# Altium PCB Brake Module PCB R4.PcbDoc (part 1 of 2) (continued)
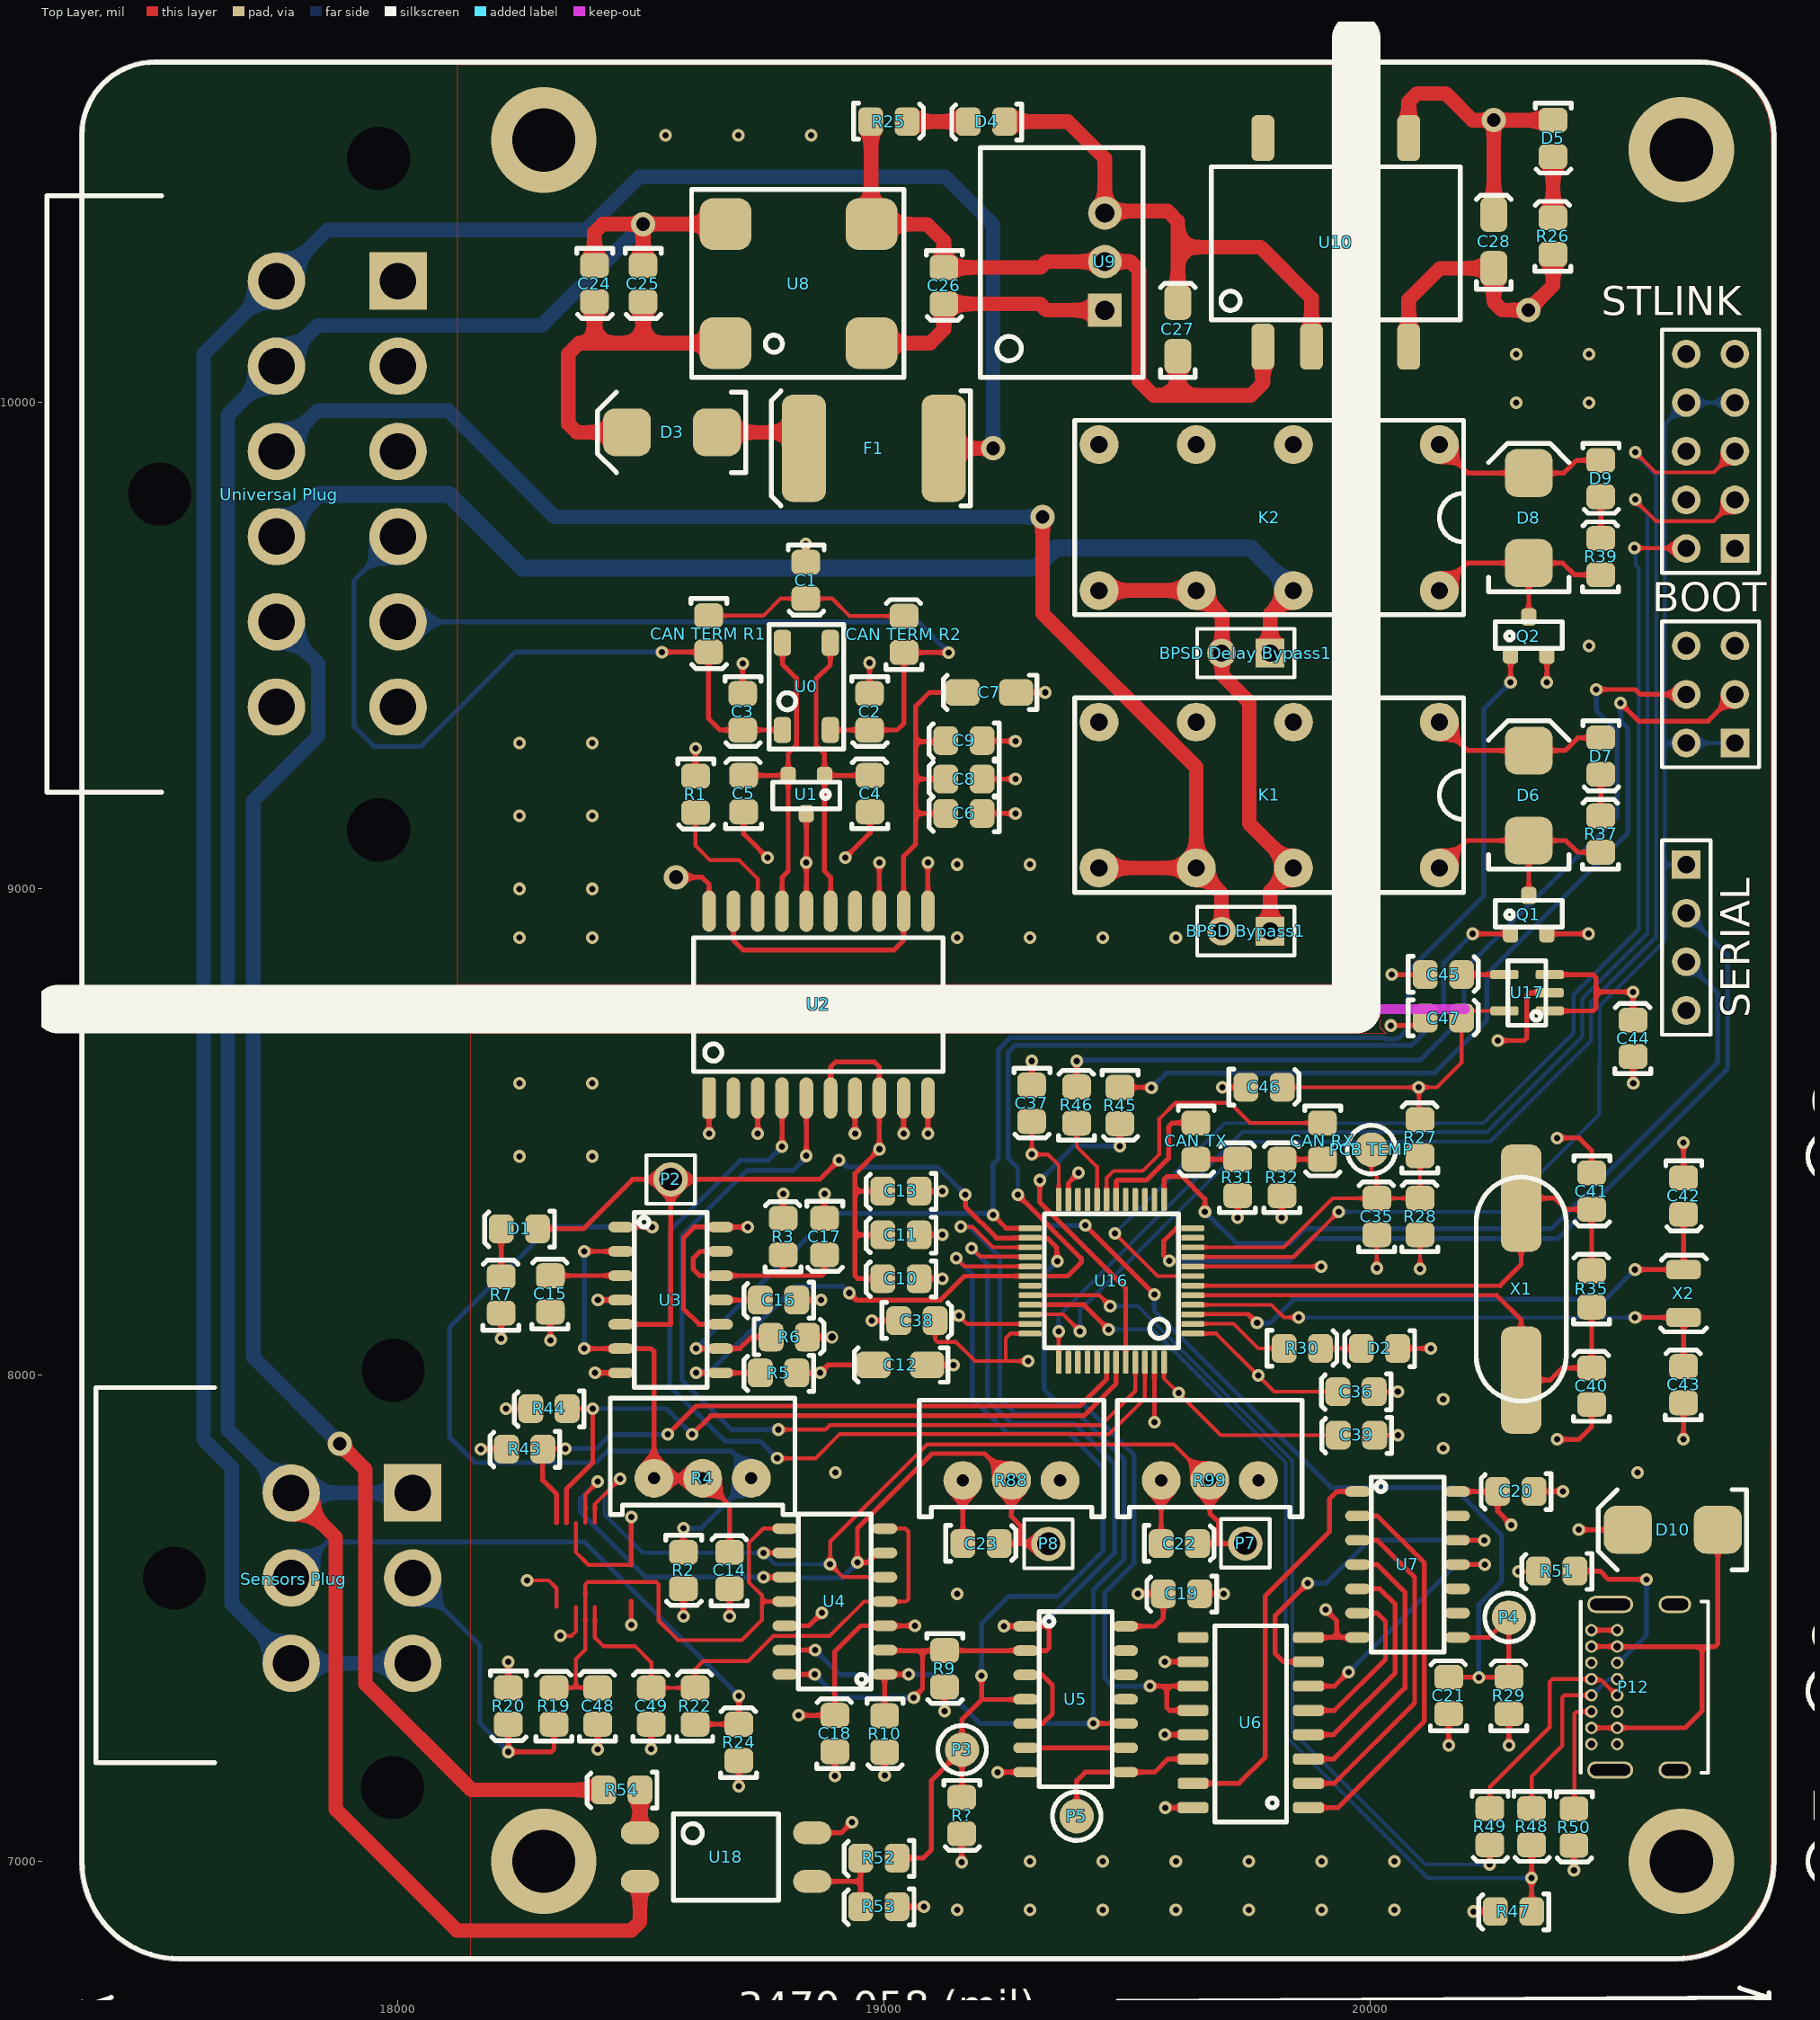
[diagram p0: Top Layer view]
## Components (designator, comment, footprint, x,y, rotation, side; value= is the part's Value field where it differs from the comment) (continued)
BOOT "2.54mm" "TH 2.54mm Header 2x3" 20750,9300 r90 top (schematic designator BOOT1)
"BPSD Bypass1" "2.54mm" "TH 2.54mm Header 1x2" 19794,8913.01 r180 top
"BPSD Delay Bypass1" "2.54mm" "TH 2.54mm Header 1x2" 19794,9485 r180 top
C1 "22pF" 0805 18840,9634 r270 top
C2 "100pF" 0805 18971.03,9363.79 r270 top
C3 "100pF" 0805 18710,9363.79 r270 top
C4 "100pF" 0805 18970,9196.44 r90 top
C5 "100pF" 0805 18710,9196.44 r90 top
C6 "100nF" 0805 19163.68,9154 r180 top
C7 "10nF" 1206 19169,9404 r180 top
C8 "10uF" 0805 19163.68,9225 r180 top
C9 "100nF" 0805 19163.68,9304 r180 top
C10 "10uF" 0805 19034,8197.43 r180 top
C11 "100nF" 0805 19034,8287.43 r180 top
C12 "10nF" 1206 18986,8021 r180 top
C13 "100nF" 0805 19034,8377.43 r180 top
C14 "10uF" 0805 18681,7598.71 r90 top
C15 "10pF" 0805 18312.24,8167.61 r90 top
C16 "10pF" 0805 18782.28,8153.5 r180 top
C17 "10uF" 0805 18878.28,8284.54 r270 top
C18 "100nF" 0805 18897.61,7263.54 r90 top
C19 "100nF" 0805 19611.2,7549.5 r180 top
C20 "100nF" 0805 20299,7760 r180 top
C21 "100nF" 0805 20160.28,7341.54 r90 top
C22 "100nF" 0805 19607.75,7654.54 r0 top
C23 "100nF" 0805 19199.75,7654.54 r0 top
C24 "10uF" 0805 18405.03,10244.16 r270 top
C25 "10uF" 0805 18505.03,10244.16 r270 top
C26 "10uF" 0805 19124,10240 r270 top
C27 "22uF" 1206 19604,10197.87 r90 top
C28 "22uF" 1206 20254,10378.78 r90 top
C35 "100nF" 0805 20012.43,8326.74 r90 top
C36 "1uF" 0805 19970.13,7964.97 r180 top
C37 "100nF" 0805 19304.38,8558.69 r270 top
C38 "100nF" 0805 19068,8113 r0 top
C39 "100nF" 0805 19971.06,7875.43 r180 top
C40 "22pF" 0805 20454.43,7977.87 r90 top
C41 "22pF" 0805 20456.5,8377.87 r270 top
C42 "22pF" 0805 20645.46,8367.87 r270 top
C43 "22pF" 0805 20643.4,7980.94 r90 top
C44 "1uF" 0805 20539.62,8693.07 r90 top
C45 "22uF" 0805 20151,8824.83 r0 top
C46 "100nF" 0805 19782,8593 r0 top
C47 "1uF" 0805 20151,8735 r0 top
C48 "100nF" 0805 18410,7320 r90 top
C49 "100nF" 0805 18520,7320 r90 top
C? "100nF" 0805 22100,4600 r0 top
C? "100nF" 0805 18300,4600 r0 top
C? "100nF" 0805 21900,4600 r0 top
C? "100nF" 0805 18100,4600 r0 top
C? "100pF" 0805 24900,4600 r0 top
C? "100pF" 0805 21100,4600 r0 top
C? "100nF" 0805 21300,4600 r0 top
C? "100pF" 0805 17700,4600 r0 top
C? "100nF" 0805 17500,4600 r0 top
C? "100pF" 0805 21500,4600 r0 top
"CAN RX" "Blue" "0805 LED" 19902.43,8480.8 r270 top
"CAN RX TP" "0mm" "SMD Test Point" 22000,7350 r90 top
"CAN TERM R1" "56R" 0805 18640,9524 r270 top
"CAN TERM R2" "56R" 0805 19040,9524 r90 top
"CAN TX" "Blue" "0805 LED" 19642.43,8480.8 r270 top
"CAN TX TP" "0mm" "SMD Test Point" 22600,7350 r90 top
"CANH TP1" "0mm" "SMD Test Point" 20950,7350 r90 top
"CANL TP1" "0mm" "SMD Test Point" 21500,7350 r90 top
D1 "Yellow" "0805 LED" 18249.23,8300 r180 top
D2 "Red" "0805 LED" 20018.43,8053.87 r180 top
D3 "SD560BTR" "SMB Diode" 18646.2,9939 r180 top
D4 "Red" "0805 LED" 19210,10577 r180 top
D5 "Red" "0805 LED" 20376.83,10543 r270 top
D6 "SD560BTR" "SMB Diode" 20326,9109.34 r90 top
D7 "Green" "0805 LED" 20475.24,9272.72 r270 top
D8 "SD560BTR" "SMB Diode" 20326,9680 r90 top
D9 "Green" "0805 LED" 20475.24,9843.39 r270 top
D10 "SD560BTR" "SMB Diode" 20705,7682 r180 top
F1 "0ZCF0100AF2A" 2920 19122.4,9906 r180 top
"GLV+ TP" "0mm" "SMD Test Point" 23150,8450 r90 top
"GLV- TP" "0mm" "SMD Test Point" 22000,8450 r90 top
K1 "V23105A5475A201" "TI 2-DIL" 19792,9193 r180 top
K2 "V23105A5475A201" "TI 2-DIL" 19792,9763.66 r180 top
"MC SENSE AMP OUT TP?" "0mm" "SMD Test Point" 19600,4550 r90 top
"MC SENSE AMP OUT TP?" "0mm" "SMD Test Point" 23400,4550 r90 top
P1 "0mm" "SMD Test Point" 21750,7000 r0 top
P2 "0mm" "TH Test Point" 18560.91,8402.54 r0 top
P3 "0mm" "SMD Test Point" 19160.28,7229.54 r0 top
P4 "0mm" "SMD Test Point" 20285.28,7501.54 r90 top
P5 "0mm" "SMD Test Point" 19396,7093 r90 top
P6 "0mm" "TH Test Point" 21550,7000 r0 top
P7 "0mm" "TH Test Point" 19743,7654 r270 top
P8 "0mm" "TH Test Point" 19338,7653 r270 top
P9 "0mm" "SMD Test Point" 21400,7000 r0 top
P10 "0mm" "TH Test Point" 21150,7000 r0 top
P11 "0mm" "SMD Test Point" 20950,7000 r0 top
P12 "USB4085-GF-A" USB4085-GF-A 20613.32,7353.27 r90 top
"PCB TEMP" "0mm" "SMD Test Point" 20002.43,8463.87 r180 top
Q1 "2N7002K" "ON SOT-23 MOSFET" 20326,8947 r0 top
Q2 "2N7002K" "ON SOT-23 MOSFET" 20326,9520 r0 top
R1 "0R" 0805 18613,9194 r270 top
R2 "10k" 0805 18588,7597.77 r270 top
R3 "1M" 0805 18791.28,8285.48 r90 top
R4 "10K (Var)" "B 3296" 18630,7810 r0 top
R5 "20k" 0805 18782.28,8003.5 r180 top
R6 "20k" 0805 18805.28,8079.33 r0 top
R7 "1.5k" 0805 18211.28,8165.48 r90 top
R9 "3.3k" 0805 19125.28,7395.66 r270 top
R10 "3.3k" 0805 19002.03,7261.63 r270 top
R19 "1k" 0805 18320,7320 r90 top
R20 "200R" 0805 18228,7319.06 r270 top
R22 "1k" 0805 18610,7320 r90 top
R24 "200R" 0805 18700,7245.2 r90 top
R25 "680R" 0805 19010,10579.06 r0 top
R26 "510R" 0805 20374.76,10343 r90 top
R27 "10k" 0805 20101.4,8488.87 r90 top
R28 "10K (NTC) (B25/85 3430K)" 0805 20101.4,8326.74 r90 top
R29 "10k" 0805 20284.24,7341.54 r90 top
R30 "510R" 0805 19860.43,8055.94 r0 top
R31 "510R" 0805 19726.4,8406.94 r90 top
R32 "510R" 0805 19817.43,8406.94 r90 top
R35 "10M" 0805 20454.43,8177.87 r90 top
R37 "680R" 0805 20473.17,9113.28 r90 top
R39 "680R" 0805 20473.17,9683.94 r90 top
R43 "5.1k" 0805 18260,7847 r180 top
R44 "5.1k" 0805 18310,7930 r180 top
R45 "10k" 0805 19486.03,8554.09 r270 top
R46 "10k" 0805 19395,8556 r90 top
R47 "1.5k" 0805 20294.1,6896 r180 top
R48 "20R" 0805 20333,7071 r270 top
R49 "20R" 0805 20247,7071 r270 top
R50 "5.1k" 0805 20419.97,7069.87 r270 top
R51 "5.1k" 0805 20383,7596 r180 top
R52 "100R" 0805 18988.74,7005.79 r180 top
R53 "10k" 0805 18988.74,6905.79 r180 top
R54 "680R" 0805 18459.86,7145.97 r180 top
R88 "10K (Var)" "B 3296" 19265.28,7805.54 r0 top
R99 "10K (Var)" "B 3296" 19673.28,7805.54 r0 top
R? "10k" 0805 22300,4600 r0 top
R? "10k" 0805 24700,4600 r0 top
R? "10k" 0805 23250,4600 r0 top
R? "10k" 0805 20900,4600 r0 top
R? "10k" 0805 19450,4600 r0 top
R? "10k" 0805 18500,4600 r0 top
R? "10k" 0805 21700,4600 r0 top
R? "10k" 0805 17900,4600 r0 top
R? "20k" 0805 19160.69,7093.66 r270 top
"Sensors Plug" "DT13-6P" DT13-6P 17382.52,7309.02 r270 top
SERIAL "2.54mm" "TH 2.54mm Header 1x4" 20650,9050 r270 top (schematic designator SERIAL1)
STLINK "2.54mm" "TH 2.54mm Header 2x5" 20750,9700 r90 top (schematic designator STLINK1)
U0 "B82787C0104H002" "TDK 4-PC Pad" 18790.79,9326.87 r90 top
U1 "NUP2105L" "ON SOT-23" 18840,9194 r180 top
U2 "ADM3053" "AD SOIC-W 20" 18865,8762.02 r0 top
U3 "NE556DR" "TI 14-SOIC" 18356.19,7554.54 r270 top
U4 "LMV339IDR" "TI 14-SOIC" 19103.36,8134.54 r90 top
U5 "SN74HC00DR" "TI 14-SOIC" 19189.19,6733.54 r270 top
U6 "MC74HC595ADR2G" "ON 16-SOIC" 19758.9,7110.54 r180 top
U7 "CD74HC30M96" "TI 14-SOIC" 19871.91,7010.54 r270 top
U8 "744272121" "Wurth 4-PC Pad" 18974,10367.17 r180 top
U9 "R-78C5.0-1.0" "RECOM 3-SIP" 19454,10190 r90 top
U10 "R2S-0505/HP" "RECOM 8-SMD (5 Pin)" 19929,10327.6 r0 top
U16 "STM32F103C8T6" "STM 48-LQFP" 19467.43,8193.87 r90 top
U17 "RT9193-33GB" "RICHTEK SOT-23-5" 20329.63,8788.37 r90 top
U18 "LTV-817S-TA1" "ON 4-SMD" 18684.74,7008.79 r0 top
U? "LM324D" "TI 14-SOIC" 19400,4300 r0 top
U? "LM324D" "TI 14-SOIC" 23200,4300 r0 top
U? "ACPL-C870" "BROAD 8-SOIC" 19200,4350 r0 top
U? "ACPL-C870" "BROAD 8-SOIC" 23000,4350 r0 top
"Universal Plug" "DT13-12P" DT13-12P 17750,10250 r270 top
X1 "8MHz" "Abracon HC-49/US" 20310.43,8176.92 r90 top
X2 "32.768kHz" "EPSON 2-SMD" 20644.43,8167.87 r270 top

## Footprints (in the part's own frame and the unit in brackets; to place one, negate y for a bottom-side part, rotate by r counter-clockwise, add the part's x,y. Pads: shape width x height; smd on the part's side, far side on the other; paste and mask are expansions set on the pad)
0805 [mil]
  rrect50% 51.18x59.06 smd: 1(-37.87,-1.03) 2(36.93,-1.03)
  silkscreen extent -73,-37 71,37, body extent -39,-26 39,26, height 29
"0805 LED" [mil]
  rrect50% 51.18x59.06 smd: A(-37.87,-1.03) K(36.93,-1.03)
  silkscreen extent -73,-37 71,37, body extent -43,-25 35,25, height 39
1206 [mm]
  rrect50% 1.8x1.4 smd: 1(-2.6,0) 2(0.2,0)
  silkscreen extent -3.7,-0.9 1.2,0.9, body extent -2.9,-0.9 0.5,0.9, height 1.85
2920 [mm]
  rrect50% 2.3x5.6 smd: 1(0,0) 2(7.3,0)
  silkscreen extent -1.4,-3 9,3, body extent -0.34,-2.81 7.64,2.81, height 1.14
"Abracon HC-49/US" [mm]
  rrect50% 5.6x2.1 smd: 1(-4.75,0) 2(4.75,0)
  silkscreen extent -5.85,-2.35 5.85,2.35, body extent -6.35,-2.35 6.35,2.35, height 4.06
"AD SOIC-W 20" [mil]
  rrect50% 28x85 smd: 1(-225,-192.02)
  oval 28x85 smd: 2(-175,-192.02) 3(-125,-192.02) 4(-75,-192.02) 5(-25,-192.02) 6(25,-192.02) 7(75,-192.02) 8(125,-192.02) 9(175,-192.02) 10(225,-192.02) 11(225,192.02) 12(175,191.98) 13(125,191.98) 14(75,191.98) 15(25,191.98) 16(-25,191.98) 17(-75,191.98) 18(-125,191.98) 19(-175,191.98) 20(-225,191.98)
  silkscreen extent -257,-138 256,138, body extent -260,-210 260,210, height 105
"B 3296" [mil]
  round 80 hole 25.2: 1(-103.39,-22) 2(-3.39,-22) 3(96.61,-22)
  silkscreen extent -193,-97 187,143, body extent -191,-97 184,143, height 455
"BROAD 8-SOIC" [mm]
  rrect50% 0.64x1.905 smd: 1(-1.905,-5.372) 2(-0.635,-5.372) 3(0.635,-5.372) 4(1.905,-5.372) 5(1.905,5.372) 6(0.635,5.372) 7(-0.635,5.372) 8(-1.905,5.372)
  silkscreen extent -3,-4 3,4, body extent -2.92,-5.75 2.92,5.75, height 3.68
DT13-6P [mm]
  round 3 hole 3.3 unplated: 0(-17.805,15.43) 0(-6.95,4) 0(4,15.4)
  rect 3x3 hole 1.9: 1(-11.4,16.45)
  round 3 hole 1.9: 2(-6.95,16.45) 3(-2.5,16.45) 4(-2.5,10.1) 5(-6.95,10.1) 6(-11.4,10.1)
  silkscreen extent -16.9,-0.1 2.7,6.1, body extent -29.9,-19.9 12.9,19.6, height 35.63
DT13-12P [mm]
  round 3 hole 3.3 unplated: 0(-6.405,5.33) 0(11.135,-6.1) 0(28.675,5.33)
  rect 3x3 hole 1.9: 1(0,6.35)
  round 3 hole 1.9: 2(4.45,6.35) 3(8.9,6.35) 4(13.35,6.35) 5(17.8,6.35) 6(22.25,6.35) 7(22.25,0) 8(17.8,0) 9(13.35,0) 10(8.9,0) 11(4.45,0) 12(0,0)
  silkscreen extent -4.45,-12 26.7,-6, body extent -18.6,-34.7 40.6,9.5, height 37.63
"EPSON 2-SMD" [mm]
  rrect50% 1x1.8 smd: 1(-1.25,0) 2(1.25,0)
  silkscreen extent -2,-1.2 2,1.2, body extent -1.5,-1 1.5,1, height 1
"ON 4-SMD" [mm] "SOP, 4-Leads, Body 3.85x4.4mm, Pitch 2.54mm, IPC Medium Density"
  oval 2x1.2 smd: 1(-4.75,1.27) 2(-4.75,-1.27) 3(4.25,-1.27) 4(4.25,1.27)
  silkscreen extent -3,-2.25 2.5,2.25, body extent -5.33,-2.3 4.83,2.3, height 4.6
"ON 16-SOIC" [mm]
  rrect50% 1.6x0.58 smd: 1(-2.89,0) 2(-2.89,-1.27) 3(-2.89,-2.54) 4(-2.89,-3.81) 5(-2.89,-5.08) 6(-2.89,-6.35) 7(-2.89,-7.62) 8(-2.89,-8.89) 9(3.14,-8.89) 10(3.14,-7.62) 11(3.14,-6.35) 12(3.14,-5.08) 13(3.14,-3.81) 14(3.14,-2.54) 15(3.14,-1.27) 16(3.14,0)
  silkscreen extent -1.75,-9.5 2,0.75, body extent -3.09,-9.4 3.14,0.6, height 1.75
"ON SOT-23" [mm] "NUP2105L"
  rrect50% 0.8x0.9 smd: 1(-0.95,-1) 2(0.95,-1) 3(0,1)
  silkscreen extent -1.75,-0.65 1.75,0.75, body extent -1.5,-1.27 1.5,1.28, height 1
"ON SOT-23 MOSFET" [mm] "NUP2105L"
  rrect50% 0.8x0.9 smd: D(0,1) G(-0.95,-1) S(0.95,-1)
  silkscreen extent -1.75,-0.65 1.75,0.75, body extent -1.5,-1.27 1.5,1.28, height 1
"RECOM 3-SIP" [mm] "12 to 42 Vdc In, 9 Vdc Out"
  rect 1.75x1.75 hole 1: 1(0,0)
  round 1.75 hole 1: 2(2.54,0) 3(5.08,0)
  silkscreen extent -3.5,-2 8.5,6.5, body extent -3.26,-2.02 8.34,6.48, height 11.41
"RECOM 8-SMD (5 Pin)" [mm]
  rrect50% 1.2x2.4 smd: 1(-3.81,-5.4) 2(-1.27,-5.4) 4(3.81,-5.4) 5(3.81,5.5) 8(-3.81,5.5)
  silkscreen extent -6.5,-4 6.5,4, body extent -6.37,-5.55 6.38,5.55, height 9.2
"RICHTEK SOT-23-5" [mil]
  rrect50% 19x58 smd: 1(-39.37,-39.37) 2(-1.97,-39.37) 3(35.43,-39.37) 4(35.43,53.63) 5(-39.37,53.63)
  silkscreen extent -69,-31 64,46, body extent -62,-51 58,67, height 57
"SMB Diode" [mm]
  rrect50% 2.5x2.5 smd: A(-0.25,0) K(4.45,0)
  silkscreen extent -1.75,-2.1 6,2.1, body extent -0.69,-1.97 4.9,1.97, height 2.5
"SMD Test Point" [mm]
  round 1.8 smd: 1(0,0)
  silkscreen extent -1.27,-1.27 1.27,1.27
"STM 48-LQFP" [mm]
  rrect50% 0.3x1.2 smd: 1(-2.75,-4.25) 2(-2.25,-4.25) 3(-1.75,-4.25) 4(-1.25,-4.25) 5(-0.75,-4.25) 6(-0.25,-4.25) 7(0.25,-4.25) 8(0.75,-4.25) 9(1.25,-4.25) 10(1.75,-4.25) 11(2.25,-4.25) 12(2.75,-4.25) 25(2.75,4.25) 26(2.25,4.25) 27(1.75,4.25) 28(1.25,4.25) 29(0.75,4.25) 30(0.25,4.25) 31(-0.25,4.25) 32(-0.75,4.25) 33(-1.25,4.25) 34(-1.75,4.25) 35(-2.25,4.25) 36(-2.75,4.25)
  rrect50% 1.2x0.3 smd: 13(4.25,-2.75) 14(4.25,-2.25) 15(4.25,-1.75) 16(4.25,-1.25) 17(4.25,-0.75) 18(4.25,-0.25) 19(4.25,0.25) 20(4.25,0.75) 21(4.25,1.25) 22(4.25,1.75) 23(4.25,2.25) 24(4.25,2.75) 37(-4.25,2.75) 38(-4.25,2.25) 39(-4.25,1.75) 40(-4.25,1.25) 41(-4.25,0.75) 42(-4.25,0.25) 43(-4.25,-0.25) 44(-4.25,-0.75) 45(-4.25,-1.25) 46(-4.25,-1.75) 47(-4.25,-2.25) 48(-4.25,-2.75)
  silkscreen extent -3.5,-3.5 3.5,3.5, body extent -4.6,-4.6 4.6,4.6, height 1.6
"TDK 4-PC Pad" [mm]
  rrect50% 1.35x0.9 smd: 1(0,0) 2(0,-2.5) 3(4.55,-2.5) 4(4.55,0)
  silkscreen extent -1,-3.2 5.5,0.7, body extent -0.02,-2.82 4.48,0.38, height 2.8
"TH 2.54mm Header 1x2" [mm]
  rect 1.5x1.5 hole 0.9: 1(0,0)
  round 1.5 hole 0.9: 2(2.54,0)
  silkscreen extent -1.27,-1.27 3.81,1.27
"TH 2.54mm Header 1x4" [mm]
  rect 1.5x1.5 hole 0.9: 1(0,0)
  round 1.5 hole 0.9: 2(2.54,0) 3(5.08,0) 4(7.62,0)
  silkscreen extent -1.27,-1.27 8.89,1.27
"TH 2.54mm Header 2x3" [mm]
  rect 1.5x1.5 hole 0.9: 1(0,0)
  round 1.5 hole 0.9: 2(0,2.54) 3(2.54,0) 4(2.54,2.54) 5(5.08,0) 6(5.08,2.54)
  silkscreen extent -1.27,-1.27 6.35,3.81
"TH 2.54mm Header 2x5" [mm]
  rect 1.5x1.5 hole 0.9: 1(0,0)
  round 1.5 hole 0.9: 2(0,2.54) 3(2.54,0) 4(2.54,2.54) 5(5.08,0) 6(5.08,2.54) 7(7.62,0) 8(7.62,2.54) 9(10.16,0) 10(10.16,2.54)
  silkscreen extent -1.27,-1.27 11.43,3.81
"TH Test Point" [mm]
  round 1.8 hole 1.2: 1(0,0)
  silkscreen extent -1.27,-1.27 1.27,1.27
"TI 2-DIL" [mil]
  round 80 hole 35.43: 1(-350,-150) 4(-50,-150) 6(150,-150) 8(350,-150) 9(350,150) 11(150,150) 13(-50,150) 16(-350,150)
  silkscreen extent -400,-200 400,200, body extent -398,-197 398,197, height 450
"TI 14-SOIC" [mil]
  oval 22x52 smd: 1(-750,102.36) 2(-700,102.36) 3(-650,102.36) 4(-600,102.36) 5(-550,102.36) 6(-500,102.36) 7(-450,102.36) 8(-450,307.09) 9(-500,307.09) 10(-550,307.09) 11(-600,307.09) 12(-650,307.09) 13(-700,307.09) 14(-750,307.09)
  silkscreen extent -780,130 -420,280, body extent -770,86 -430,323, height 69
USB4085-GF-A [mm]
  round 0.65 hole 0.4: A1(-2.848,4.025) A4(-1.998,4.025) A5(-1.148,4.025) A6(-0.298,4.025) A7(0.552,4.025) A8(1.402,4.025) A9(2.252,4.025) A12(3.102,4.025) B1(3.102,2.675) B4(2.252,2.675) B5(1.402,2.675) B6(0.552,2.675) B7(-0.298,2.675) B8(-1.148,2.675) B9(-1.998,2.675) B12(-2.848,2.675)
  oval 0.9x2.4 hole 0.6 slot 2.1 at 90 deg: P1(-4.198,3.045) P2(4.452,3.045)
  oval 0.9x1.7 hole 0.6 slot 1.4 at 90 deg: P3(4.452,-0.335) P4(-4.198,-0.335)
  silkscreen extent -4.35,-2.07 4.6,4.58, body extent -4.39,-4.56 4.64,4.61, height 3.46
"Wurth 4-PC Pad" [mm]
  rrect50% 2.7x2.7 smd: 1(7.62,6.22) 2(0,6.22) 3(0,0) 4(7.62,0)
  silkscreen extent -1.7,-1.8 9.4,8, body extent -1.19,-1.24 8.81,7.46, height 6.2

## Part data
"0V (ISO) TP" "0V TP" "5V (ISO) TP" "5V TP" "CAN RX TP" "CAN TX TP" "CANH TP1" "CANL TP1" "GLV+ TP" "GLV- TP" "MC SENSE AMP OUT TP?" "MC SENSE AMP OUT TP?" P1 P3 P4 P5 P9 P11 "PCB TEMP": library part "SMD Test Point", Angle=0, Contact=NA, Flange=No, Part Number="SMD Test Point", Pitch=0mm, Positions=1, Row Spacing=0
BOOT: library part "TH 2.54mm Header 2x3", Angle=0, Contact=NA, Flange=No, Part Number="TH 2.54mm Header 2x3", Pitch=2.54mm, Positions=6, Row Spacing=2.54mm
"BPSD Bypass1" "BPSD Delay Bypass1": library part "TH 2.54mm Header 1x2", Angle=0, Contact=NA, Flange=No, Part Number="TH 2.54mm Header 1x2", Pitch=2.54mm, Positions=2, Row Spacing=2.54mm
C1 C40 C41 C42 C43: library part GCM21B5C1H220JA37L, Manufacturer=muRata, Rated Voltage=50V, Tolerance=5%, Material=C0G, Part Number=GCM21B5C1H220JA37L
C2 C3 C4 C5 C? C? C? C?: library part GCM21B5C1H101JA37L, Manufacturer=muRata, Rated Voltage=50V, Tolerance=5%, Material=C0G, Part Number=GCM21B5C1H101JA37L
C6 C9 C11 C13 C18 C19 C20 C21 C22 C23 C35 C37 C38 C39 C46 C48 C49 C? C? C? C? C? C?: library part GCM21BR71E104KA37L, Manufacturer=muRata, Rated Voltage=25V, Tolerance=10%, Material=X7R, Part Number=GCM21BR71E104KA37L
C7 C12: library part GCM3195C2A103JA16D, Digikey Part Number=490-4978-2-ND, Manufacturer=muRata, Rated Voltage=100V, Tolerance=5%, Material=Ceramic, Part Number=GCM3195C2A103JA16D
C8 C10 C14 C17 C24 C25 C26: library part GRM21BR6YA106KE43L, Digikey Part Number=490-10514-6-ND, Manufacturer=muRata, Rated Voltage=50V, Tolerance=10%, Material=X5R, Part Number=GRM21BR6YA106KE43L
C15 C16: library part GCM21B5C1H100JA37L, Manufacturer=muRata, Rated Voltage=50V, Tolerance=5%, Material=C0G, Part Number=GCM21B5C1H100JA37L
C27 C28: library part CC1206MKX5R7BB226, Digikey Part Number=311-1997-2-ND, Manufacturer=YAGEO, Rated Voltage=16V, Tolerance=20%, Material=Ceramic, Part Number=CC1206MKX5R7BB226
C36 C44 C47: library part AC0805KKX7R8BB105, Manufacturer=YAGEO, Rated Voltage=25V, Tolerance=10%, Material=X7R, Part Number=AC0805KKX7R8BB105
C45: library part GRM21BR61A226ME51L, Digikey Part Number=490-10511-1-ND, Manufacturer=muRata, Rated Voltage=10V, Tolerance=20%, Material=X5R, Part Number=GRM21BR61A226ME51L
"CAN RX" "CAN TX": library part SML-MN2BCTT86C, "LED BLUE CLEAR 2012 SMD", Digikey Part Number=846-1207-1-ND, Manufacturer="ROHM Semiconductor", Colour=Blue, Digikey Link=https://www.digikey.com/product-detail/en/rohm-semiconductor/SMLMN2BCTT86C/846-1207-1-ND/6057239, Part Number=SML-MN2BCTT86C
"CAN TERM R1" "CAN TERM R2": library part RC0805FR0756RL, Manufacturer=YAGEO, Rated Voltage=0.125W, Tolerance=0.01, Material=FR-07, Part Number=RC0805FR0756RL
D1: library part SML-211YTT86, "Yellow LED Indication - Discrete 1.75V 0805 (2012 Metric)", Digikey Part Number=511-1293-1-ND, Manufacturer="ROHM Semiconductor", Colour=Yellow, Digikey Link=https://www.digikey.com/product-detail/en/rohm-semiconductor/SML-211YTT86/511-1293-1-ND/637106, Part Number=SML-211YTT86
D2 D4 D5: library part SML-210LTT86, "Red LED Indication - Discrete 1.75V 0805 (2012 Metric)", Digikey Part Number=511-1286-1-ND, Manufacturer="ROHM Semiconductor", Colour=Red, Digikey Link=https://www.digikey.com/product-detail/en/rohm-semiconductor/SML-210LTT86/511-1286-1-ND/637099, Part Number=SML-210LTT86
D3 D6 D8 D10: "1.2V_F 600V 5A SMB", Digikey Part Number=1655-1530-2-ND, Manufacturer="SMC Diode Solutions", Digikey Link=https://www.digikey.com/product-detail/en/smc-diode-solutions/SD560BTR/1655-1530-2-ND/6022620, Part Number=SD560BTR
D7 D9: library part SML-210FTT86, "Green LED Indication - Discrete 1.75V 0805 (2012 Metric)", Digikey Part Number=511-1285-1-ND, Manufacturer="ROHM Semiconductor", Colour=Green, Digikey Link=https://www.digikey.com/product-detail/en/rohm-semiconductor/SML-210FTT86/511-1285-1-ND/637098, Part Number=SML-210FTT86
F1: "PTC RESET FUSE 60V 1A 292", Digikey Part Number=507-2070-1-ND, Manufacturer="Littelfuse Inc.", Digikey Link=https://www.digikey.com/product-detail/en/bel-fuse-inc/0ZCF0100AF2A/507-2070-1-ND/6210547, Part Number=0ZCF0100AF2A
K1 K2: "5V DPDT Relay 3A 220VDC", Digikey Part Number=PB383-ND, Manufacturer=Axicom, Digikey Link=https://www.digikey.com/products/en?mpart=V23105A5001A201&v=41, Part Number=V23105A5475A201
P2 P6 P7 P8 P10: library part "TH Test Point", Angle=0, Contact=NA, Flange=No, Part Number="TH Test Point", Pitch=0mm, Positions=1, Row Spacing=0mm
P12: "USB - C (Type - C) USB 2.0 Receptacle Connector 16 Position Through Hole, Right Angle", Digikey Part Number=2073-USB4085-GF-ACT-ND, Angle=90, Digikey Link=https://www.digikey.ee/product-detail/en/gct/USB4085-GF-A/2073-USB4085-GF-ACT-ND/9859733, Part Number=USB4085-GF-A
Q1 Q2: "60V 380mA, NFET MOSTFET (Small Signal)", Digikey Part Number=2N7002KCT-ND, Manufacturer="ON Semiconductor", Digikey Link=https://www.digikey.com/product-detail/en/on-semiconductor/2N7002K/2N7002KCT-ND/2060375, LatestRevisionDate=29-May-2009, LatestRevisionNote="IPC-7351 Footprint Added.", PackageDescription="4-Pin SOT-343 Package 1.3 mm Pitch, 2.1 mm Lead Span", PackageReference=SOT-343, PackageVersion=Sep-2000, Part Number=2N7002K, Published=24-Mar-1999, Publisher="Altium Limited", Qty=30
R1: library part RC0805FR070RL, Manufacturer=YAGEO, Rated Voltage=0.125W, Tolerance=0.01, Material=FR-07, Part Number=RC0805FR070RL
R2 R27 R29 R45 R46 R53 R? R? R? R? R? R? R? R?: library part RC0805FR0710KL, Manufacturer=YAGEO, Rated Voltage=0.125W, Tolerance=0.01, Material=FR-07, Part Number=RC0805FR0710KL
R3: library part RC0805FR071ML, Manufacturer=YAGEO, Rated Voltage=0.125W, Tolerance=0.01, Material=FR-07, Part Number=RC0805FR071ML
R4 R88 R99: library part 3296W-1-103LF, Digikey Part Number=3296W-103LF-ND, Manufacturer="Bournes Inc", Rated Voltage=0.5W, Tolerance=0.1, Part Number=3296W-1-103LF
R5 R6 R?: library part RC0805FR0720KL, Manufacturer=YAGEO, Rated Voltage=0.125W, Tolerance=0.01, Material=FR-07, Part Number=RC0805FR0720KL
R7 R47: library part RC0805FR071K5L, Manufacturer=YAGEO, Rated Voltage=0.125W, Tolerance=0.01, Material=FR-07, Part Number=RC0805FR071K5L
R9 R10: library part RC0805FR073K3L, Manufacturer=YAGEO, Rated Voltage=0.125W, Tolerance=0.01, Material=FR-07, Part Number=RC0805FR073K3L
R19 R22: library part RC0805FR071KL, Manufacturer=YAGEO, Rated Voltage=0.125W, Tolerance=0.01, Material=FR-07, Part Number=RC0805FR071KL
R20 R24: library part RC0805FR07200RL, Manufacturer=YAGEO, Rated Voltage=0.125W, Tolerance=0.01, Material=FR-07, Part Number=RC0805FR07200RL
R25 R37 R39 R54: library part RC0805FR07680RL, Manufacturer=YAGEO, Rated Voltage=0.125W, Tolerance=0.01, Material=FR-07, Part Number=RC0805FR07680RL
R26 R30 R31 R32: library part RC0805FR07510RL, Manufacturer=YAGEO, Rated Voltage=0.125W, Tolerance=0.01, Material=FR-07, Part Number=RC0805FR07510RL
R28: library part NTCS0805E3103FLT, Digikey Part Number=BC2733CT-ND, Manufacturer="Vishay Beyschlag", Rated Voltage=210mW, Tolerance=0.01, Part Number=NTCS0805E3103FLT
R35: library part RC0805FR0710ML, Manufacturer=YAGEO, Rated Voltage=0.125W, Tolerance=0.01, Material=FR-07, Part Number=RC0805FR0710ML
R43 R44 R50 R51: library part RC0805FR075K1L, Manufacturer=YAGEO, Rated Voltage=0.125W, Tolerance=0.01, Material=FR-07, Part Number=RC0805FR075K1L
R48 R49: library part RC0805FR0720RL, Manufacturer=YAGEO, Rated Voltage=0.125W, Tolerance=0.01, Material=FR-07, Part Number=RC0805FR0720RL
R52: library part RC0805FR07100RL, Manufacturer=YAGEO, Rated Voltage=0.125W, Tolerance=0.01, Material=FR-07, Part Number=RC0805FR07100RL
"Sensors Plug": library part DT13-6P[[/\]]DT13-6P, Digikey Part Number=1734-1025-ND, Angle=90, Contact="Copper Alloy", Digikey Link=https://www.digikey.com/product-detail/en/te-connectivity-deutsch-connectors/DT13-6P/1734-1025-ND/6566589, Flange=Yes, Part Number=DT13-6P, Pitch=4.44mm, Positions=6, Row Spacing=6.35mm
SERIAL: library part "TH 2.54mm Header 1x4", Angle=0, Contact=NA, Flange=No, Part Number="TH 2.54mm Header 1x4", Pitch=2.54mm, Positions=4, Row Spacing=2.54mm
STLINK: library part "TH 2.54mm Header 2x5", Angle=0, Contact=NA, Flange=No, Part Number="TH 2.54mm Header 2x5", Pitch=2.54mm, Positions=10, Row Spacing=2.54mm
U0: "100µH @ 100kHz 2 Line Common Mode Choke Surface Mount 5.8 kOhms @ 10MHz 150mA DCR 2Ohm", Digikey Part Number=495-4598-1-ND, Inductance="100µH @ 100kHz", Manufacturer="EPCOS (TDK)", Rated Current=150mA, Digikey Link=https://www.digikey.com/product-detail/en/epcos-tdk/B82787C0104H002/495-4598-2-ND/3680998, Impedence="5.8 kOhms @ 10MHz", Material=Wirewound, Part Number=B82787C0104H002
U1: "Dual Line CAN Bus Protector", Digikey Part Number=NUP2105LT1GOSCT-ND, Manufacturer="ON Semiconductor", Digikey Link=https://www.digikey.com/product-detail/en/on-semiconductor/NUP2105LT1G/NUP2105LT1GOSCT-ND/1485001, Part Number=NUP2105L
U2: "Isolated CAN Transceiver", Digikey Part Number=ADM3053BRWZ-ND, Manufacturer="Analogue Devices", Digikey Link=https://www.digikey.com/product-detail/en/analog-devices-inc/ADM3053BRWZ/ADM3053BRWZ-ND/2709332, Part Number=ADM3053
U3: "IC OSC TIMER DUAL 100KHZ 14SOIC", Digikey Part Number=296-26240-1-ND, Manufacturer="Texas Instruments", Digikey Link=https://www.digikey.com/product-detail/en/texas-instruments/NE556DR/296-26240-1-ND/2254905, Part Number=NE556DR
U4: "Comparator General Purpose Open Collector 14-SOIC", Digikey Part Number=296-6611-2-ND, Manufacturer="Texas Instruments", Digikey Link=https://www.digikey.com/product-detail/en/texas-instruments/LMV339MTX-NOPB/296-35446-1-ND/3739150, Part Number=LMV339IDR
U5: "NAND Gate IC 4 Channel 14-SOIC", Digikey Part Number=296-1187-2-ND, Manufacturer="Texas Instruments", Digikey Link=https://www.digikey.com.au/product-detail/en/texas-instruments/SN74HC00DR/296-1187-2-ND/276830, Part Number=SN74HC00DR
U6: "IC SHIFT REGISTR 8BIT 3ST 16SOIC", Digikey Part Number=MC74HC595ADR2GOSCT-ND, Manufacturer="ON Semiconductor", Digikey Link=https://www.digikey.com/product-detail/en/on-semiconductor/MC74HC595ADR2G/MC74HC595ADR2GOSCT-ND/1139727, Part Number=MC74HC595ADR2G
U7: "IC GATE NAND 1CH 8-INP 14SOIC", Digikey Part Number=296-14521-1-ND, Manufacturer="Texas Instruments", Digikey Link=https://www.digikey.com/product-detail/en/texas-instruments/CD74HC30M96/296-14521-1-ND/555580, Part Number=CD74HC30M96
U8: "120µH @ 100kHz 2 Line Common Mode Choke Surface Mount 460 Ohms @ 30MHz 2.5A DCR 25mOhm", Digikey Part Number=732-1489-1-ND, Inductance="120uH @ 100kHz", Manufacturer="Wurth Electronics Inc", Rated Current=2.5A, Digikey Link=https://www.digikey.com/product-detail/en/w-rth-elektronik/744272121/732-1489-1-ND/1639501, Impedence="460 Ohms @ 30MHz", Material=Wirewound, Part Number=744272121
U9: "CONV DC/DC 1A 5V OUT SIP VERT", Digikey Part Number=945-1395-5-ND, Manufacturer=Recom, Digikey Link=https://www.digikey.com.au/product-detail/en/recom-power/R-78C5.0-1.0/945-1395-5-ND/2652148, Isolation=Non-Isolated, Part Number=R-78C5.0-1.0
U10: "Isolated Module DC DC Converter 1 Output 3.3V 606mA 4.5V - 5.5V Input", Digikey Part Number=945-1764-5-ND, Input Voltage=4.5V-5.5V, Manufacturer=Recom, Output Power=2W, Output Voltage=5V, Digikey Link=https://www.digikey.com/product-detail/en/recom-power/R2S-0505-HP/945-1764-5-ND/2302761, Efficiency=0.85, Isolation=Isolated, Part Number=R2S-0505/HP
U16: "ARM® Cortex®-M3 STM32F1 Microcontroller IC 32-Bit 72MHz 64KB (64K x 8) FLASH", Digikey Part Number=497-6063-ND, Manufacturer=STMicroelectronics, Digikey Link=https://www.digikey.com/product-detail/en/stmicroelectronics/STM32F103C8T6/497-6063-ND/1646338, Part Number=STM32F103C8T6
U17: "IC REG LINEAR 3.3V 300MA SOT23-5", Digikey Part Number=1028-1014-1-ND, Manufacturer=Richtek, Digikey Link=https://www.digikey.com/products/en?keywords=1028-1014-1-ND, Part Number=RT9193-33GB
U18: "35V 50ma Optocoupler (VF=1.2V)", Digikey Part Number=160-1893-2-ND, Manufacturer="Lite-On Inc", Digikey Link=https://www.digikey.com/product-detail/en/lite-on-inc/LTV-817S-TA1/160-1893-2-ND/388451, Part Number=LTV-817S-TA1
U? U?: "IC OPAMP GP 4 CIRCUIT 14SOIC", Digikey Part Number=296-1390-5-ND, Manufacturer="Texas Instruments", Digikey Link=https://www.digikey.com/product-detail/en/texas-instruments/LM324D/296-1390-5-ND/277039, Part Number=LM324D
U? U?: "Isolation Amplifier 1 Circuit Differential 8-SO", Digikey Part Number=516-2578-5-ND, Manufacturer="Broadcom Limited", Digikey Link=https://www.digikey.com/product-detail/en/broadcom-limited/ACPL-C870-000E/516-2578-5-ND/3523705, Part Number=ACPL-C870
"Universal Plug": library part DT13-12P[[/\]]DT13-12P, Digikey Part Number=1734-1451-ND, Angle=90, Contact=Nickel, Digikey Link=https://www.digikey.com.au/product-detail/en/te-connectivity-deutsch-connectors/DT13-12PA/1734-1451-ND/7220123, Flange=Yes, Part Number=DT13-12P, Pitch=4.44mm, Positions=12, Row Spacing=6.35mm
X1: library part ABLS-8.000MHZ-B4-T, Digikey Part Number=535-10212-2-ND, Load Capacitance=18pF, Manufacturer="Abracon LLC", Digikey Link=https://www.digikey.com/product-detail/en/abracon-llc/ABLS-8.000MHZ-B4-T/535-10212-2-ND/2184155, ESR=80R, Part Number=ABLS-8.000MHZ-B4-T
X2: library part "FC-135 32.7680KA-A5", Digikey Part Number=SER4103TR-ND, Load Capacitance=12.5pF, Manufacturer=EPSON, Digikey Link=https://www.digikey.com/product-detail/en/epson/FC-135-32.7680KA-A5/SER4103TR-ND/5259895, ESR=70k, Part Number="FC-135 32.7680KA-A5"

## Via types
v1: diameter 26, hole 13, Top Layer to Bottom Layer, 216 vias
v2: diameter 50, hole 28, Top Layer to Bottom Layer, 7 vias
v3: diameter 216.54, hole 129.92, Top Layer to Bottom Layer, 4 vias
v4: diameter 26, hole 16, Top Layer to Bottom Layer, 1 vias

## Nets (pads, with @x,y where several pads share a name; then routed paths per layer and width w, separated by ;. In a path a pad name is that pad's centre, name@x,y a point inside that pad or via, vN(x,y) a via of type N, cw(c..) or ccw(c..) an arc to the next point about the centre after c; other vN are vias at no path point)
0V: "0V TP.1" C26.1 C27.1 R25.1 U8.3 U9.2 U10.1 | length 1503.4
  Top Layer w30: R25.1@18972.13,10578.03 18973.06,10577.1 18973.06,10368.1 U8.3@18974,10367.17 18974.17,10367 19088,10367 19122.97,10332.03 C26.1@19122.97,10277.87 19321.87,10277.87 19334,10290 U9.2@19454,10290 19506.43,10290 19524,10272.43 19524,10045 19554,10015 19604,10015 ; C27.1@19604,10095.51 19604,10015 ; U10.1@19779,10115 19779,10040 19754,10015 19604,10015
  other v1: 18250,8900 18400,8900 19150,8900 19300,8900 19450,8900 19600,8900 18250,9000 18400,9000 19150,9050 19300,9050 18250,9150 18400,9150 18250,9300 18400,9300 18550,10550 18700,10550 18850,10550
"0V (HV MC ISO)": C?.1@18062.13,4598.97 C?.1@18262.13,4598.97 C?.1@21862.13,4598.97 C?.1@22062.13,4598.97 U?.3@19225,4138.48 U?.3@23025,4138.48 U?.4@19275,4138.48 U?.4@23075,4138.48
"0V (ISO)": "0V (ISO) TP.1" BOOT.5 BOOT.6 C10.1 C11.1 C12.1 C13.1 C14.1 C15.1 C16.1 C17.1 C18.1 C19.1 C20.1 C21.1 C22.1 C23.1 C28.1 C35.1 C36.1 C37.1 C38.1 C39.1 C40.1 C41.1 C42.1 C43.1 C44.1 C45.1 C46.1 C47.1 C48.1 C49.1 C?.1@17462.13,4598.97 C?.1@21262.13,4598.97 P12.A1 P12.A12 P12.B1 P12.B12 P12.P1 Q1.S Q2.S R6.2 R7.1 R20.1 R24.1 R26.1 R28.1 R29.1 R31.1 R32.1 R50.2 R51.2 R53.1 R88.1 R99.1 R?.2@19159.66,7056.74 SERIAL.4 STLINK.1 U2.1 U2.3 U2.7 U2.9 U2.10 U3.7 U4.12 U5.7 U6.8 U6.13 U7.7 U10.4 U16.8 U16.23 U16.35 U16.47 U17.2 U?.5@19275,4561.52 U?.5@23075,4561.52 | length 4924.5
  Top Layer w8: v1(19153.52,8122) 19154,8122 19170.77,8105.23 19300.05,8105.23 U16.35@19300.11,8105.29 ; U16.8@19634.76,8223.4 v1(19899.04,8223.4) ; v1(20013.46,8219.9) C35.1@20013.46,8288.87 ; v1(20102.43,8218.87) R28.1@20102.43,8288.87
  Top Layer w10: v1(18212.31,8075.57) R7.1@18212.31,8127.61 ; R20.1@18226.97,7356.93 v1(18226.97,7410.4) ; v1(18313.28,8071.54) C15.1@18313.28,8125.66 ; v1(18405.28,8004.54) U3.7@18458.55,8004.54 ; v1(18411.03,7230) C48.1@18411.03,7282.13 ; v1(18521.03,7231.03) C49.1@18521.03,7282.13 ; v1(18640,8497) U2.1@18640,8570 ; v1(18682.03,7503.67) C14.1@18682.03,7557.84 ; v1(18701.03,7154.8) R24.1@18701.03,7207.33 ; v1(18740,8497) U2.3@18740,8570 ; U4.12@18796.28,7484.54 18845.54,7484.54 v1(18872,7511) ; C16.1@18820.15,8154.54 v1(18870.28,8154.54) ; R6.2@18842.2,8078.3 v4(18892.51,8078.3) ; C17.1@18877.24,8322.41 v1(18877.24,8372.54) ; v1(18898.64,7175.54) C18.1@18898.64,7225.66 ; v1(18940,8497) U2.7@18940,8570 ; v1(18974.57,8111.97) C38.1@19030.13,8111.97 ; R53.1@19026.61,6906.82 v1(19082,6906.82) ; v1(19040,8497) U2.9@19040,8570 ; C10.1@19071.87,8198.46 v1(19120,8198.46) ; C11.1@19071.87,8288.46 v1(19120,8288.46) ; C13.1@19071.87,8378.46 v1(19120,8378.46) ; C12.1@19088.36,8021 v1(19142.36,8021) ; v1(19090,8497) U2.10@19090,8570 ; v1(19159.66,6998.54) R?.2@19159.66,7056.74 ; C23.1@19161.88,7653.5 R88.1@19161.88,7783.54 ; v1(19233.28,7183.54) U5.7@19291.55,7183.54 ; C37.1@19304,8596.6 v1(19304,8646) ; U16.23@19378.85,8361.2 19379.03,8361.37 19379.03,8395.03 v1(19400,8416) ; v1(19556.02,7903.3) U16.47@19556.02,8026.55 ; C22.1@19569.88,7653.5 R99.1@19569.88,7783.54 ; v1(19577.28,7260.54) U6.13@19635.28,7260.54 ; C19.1@19649.08,7550.54 v1(19698.28,7550.54) ; v1(19696,8591.97) C46.1@19744.13,8591.97 ; v1(19727.43,8324) R31.1@19727.43,8369.07 ; v1(19817.92,8324) 19817.92,8368.53 R32.1@19818.46,8369.07 ; U6.8@19872.68,7460.54 19931.28,7460.54 ; v1(19908.28,7517.54) 19931.28,7494.54 19931.28,7460.54 ; U7.7@19974.28,7460.54 19931.28,7460.54 ; C36.1@20008,7966 v1(20056.6,7966) ; C39.1@20008.93,7876.46 v1(20057,7876.46) ; v1(20042,8719) 20098.16,8719 C47.1@20113.13,8733.97 ; v1(20044,8823.8) C45.1@20113.13,8823.8 ; v1(20161.31,7238.57) C21.1@20161.31,7303.66 ; v1(20262,8688) 20316.14,8688 20322,8693.86 20322,8780.54 20327.86,8786.4 U17.2@20369,8786.4 ; v1(20285.28,7238.57) R29.1@20285.28,7302.66 ; v1(20305,7596) 20345.04,7596 R51.2@20346.07,7597.03 ; C20.1@20336.87,7761.03 v1@20395.08,7761.03 ; Q1.S@20363.4,8907.63 v1(20448.63,8907.63) ; v1(20363.4,9424.6) Q2.S@20363.4,9480.63 ; v1(20384.43,7867.87) 20429.43,7867.87 20455.46,7893.9 C40.1@20455.46,7940 ; v1(20384.43,8487.87) 20429.43,8487.87 20455.46,8461.84 C41.1@20455.46,8415.74 ; v1@20418.94,6981.87 R50.2@20418.94,7032.94 ; P12.A12@20454.86,7475.4 P12.B1@20508,7475.4 ; C44.1@20540.65,8655.2 20541,8654.85 v1(20541,8600) ; v1(20644.43,7867.87) C43.1@20644.43,7943.07 ; C42.1@20644.43,8405.74 v1(20644.43,8477.87)
  Top Layer w30: U10.4@20079,10115 20079,10212 20143.42,10276.42 C28.1@20254,10276.42 20254,10207.57 20271.57,10190 v2(20325,10190) 20375.8,10240.8 R26.1@20375.8,10305.13
  other v1: 19150,6900 19300,6900 19450,6900 19600,6900 19750,6900 19900,6900 20050,6900 20418.97,6981.87 19300,7000 19450,7000 19600,7000 19750,7000 19900,7000 20050,7000 19150,7550 20396,7761.03 18900,7800 20550,7800 20150,7850 20150,7950 18250,8450 18400,8450 18250,8600 18400,8600 20450,9500 20300,10000 20450,10000 20300,10100 20450,10100
"3.3V (ISO)": BOOT.1 BOOT.2 C36.2 C37.2 C38.2 C39.2 C46.2 C47.2 D2.A R27.2 SERIAL.1 STLINK.7 STLINK.8 U16.1 U16.9 U16.24 U16.36 U16.48 U17.5 | length 4834.8
  Top Layer w8: C38.2@19104.93,8111.97 19104.93,8072.69 19109.61,8068 19148,8068 19187,8029 19250,8029 ; v1(19296,8029) 19250,8029 ; U16.36@19300.11,8085.6 19259.6,8085.6 19250,8076 19250,8029 ; C37.2@19303.35,8521.77 19303.97,8521.15 v1(19303.97,8453.87) 19337.13,8453.87 19359.17,8431.83 U16.24@19359.17,8361.2 ; U16.48@19575.7,8026.55 19575.7,7993.1 v1(19605.8,7963) 19692.33,7876.46 C39.2@19934.13,7876.46 ; U16.1@19634.76,8085.6 19682.9,8085.6 v1(19769.5,7999) 19802.5,7966 C36.2@19933.2,7966 ; U16.9@19634.76,8243.08 19842.08,8243.08 19849.4,8250.4 v1(19935,8336) ; C46.2@19818.93,8591.97 v1(20100,8591.97) ; R27.2@20102.43,8525.8 20100,8528.23 v1(20100,8591.97) ; U17.5@20276,8749 20209.44,8749 20209.44,8747.2 20201.24,8739 20192.96,8739 C47.2@20187.93,8733.97 20187.93,8642.93 20136.97,8591.97 v1(20100,8591.97)
  Top Layer w10: D2.A@20056.31,8054.9 v1(20124.46,8054.9)
  Bottom Layer w8: v1(19935,8336) 20270.74,8336 20471,8536.26 20471,8642.97 ; 20472,8643.97 20472,8759.63 20606,8893.63 20606,9050 ; SERIAL.1@20650,9050 20606,9050 ; BOOT.1@20750,9300 BOOT.2@20650,9300 20606,9300 ; STLINK.7@20750,10000 STLINK.8@20650,10000 20606,9956 20606,9300 ; 20606,9050 20606,9300
5kW: "Universal Plug.8" R54.2 | length 2948.5
  Top Layer w30: v2(17880.12,7858.88) 17933,7806 17933,7365 18151,7147 R54.2@18420.2,7147
  Bottom Layer w30: 17750,9549.21 17836,9463.21 17836,9315 17702,9181 17702,8037 v2(17880.12,7858.88)
"5kW (ISO)": P3.1 R52.1 R?.1@19159.66,7131.54 U5.4 U16.29 | length 2046
  Top Layer w8: v1(19148,8241) 19165.29,8223.71 U16.29@19300.11,8223.71
  Top Layer w10: R52.1@19026.61,7006.82 19079.82,7006.82 19097.14,7024.14 19097.14,7166.4 P3.1@19160.28,7229.54 ; R?.1@19159.66,7131.54 19160.28,7132.15 P3.1@19160.28,7229.54 ; 19200.28,7334.41 v1(19200.28,7381.54) ; U5.4@19291.55,7333.54 19290.96,7332.95 19201.15,7332.95 19160.28,7292.08 P3.1@19160.28,7229.54
  Bottom Layer w10: v1(19148,8241) 19181.52,8207.48 19181.52,7951.91 19253.43,7880 19380,7880 19450,7810 19450,7638.28 19356.72,7545 19256,7545 19200.28,7489.28 v1(19200.28,7381.54)
5V: "5V TP.1" C27.2 D4.A U9.3 U10.2 | length 1095.6
  Top Layer w30: D4.A@19247.87,10578.03 19377.97,10578.03 19454,10502 U9.3@19454,10390 19458,10394 19583,10394 19604,10373 19604,10319.82 ; C27.2@19604,10205.75 19604,10319.82 ; U10.2@19879,10115 19879,10215 19774.18,10319.82 19604,10319.82
"5V (HV MC ISO)": C?.2@18336.93,4598.97 C?.2@22136.93,4598.97 U?.1@19125,4138.48 U?.1@22925,4138.48
"5V (ISO)": "5V (ISO) TP.1" C10.2 C11.2 C12.2 C13.2 C18.2 C19.2 C20.2 C28.2 C44.2 C?.2@17536.93,4598.97 C?.2@21336.93,4598.97 D5.A D6.K D7.A D8.K D9.A D10.K K1.1 K2.1 R2.2 R3.2 R5.1 R9.2 R10.2 R43.2 R44.2 R47.2 R88.3 R99.3 U2.6 U2.8 U3.4 U3.10 U3.14 U4.3 U5.14 U6.10 U6.16 U7.14 U10.5 U17.1 U17.3 U18.4 U?.8@19125,4561.52 U?.8@22925,4561.52 | length 4510.9
  Top Layer w10: v1(18170,7848.03) R43.2@18223.07,7848.03 ; v1(18222.05,7931.03) R44.2@18273.07,7931.03 ; v1(18411.21,8154.54) U3.4@18458.55,8154.54 ; v1(18586.97,7503.67) R2.2@18586.97,7560.84 ; U3.10@18663.28,8104.54 18619.28,8104.54 18587.28,8136.54 18587.28,8282.54 18609.28,8304.54 U3.14@18663.28,8304.54 v1(18719.28,8304.54) ; R3.2@18792.31,8322.41 v1(18792.31,8372.54) ; R5.1@18820.15,8004.54 v1(18868.28,8004.54) 18884.74,8021 C12.2@18978.13,8021 ; v1(18824.28,7300.46) C18.2@18898.64,7300.46 18898.64,7431.9 18951.28,7484.54 U4.3@19001,7484.54 v1(19063.28,7484.54) ; U18.4@18852.06,7058.79 18911.74,7058.79 v1(18933.74,7080.79) ; U2.6@18890,8570 18890,8634 18900,8644 18980,8644 18990,8634 U2.8@18990,8570 v1(18990,8464.81) 18940,8414.81 18940,8378.46 ; C10.2@18997.07,8198.46 18945.86,8198.46 18940,8204.32 18940,8288.46 ; C11.2@18997.07,8288.46 18940,8288.46 ; C13.2@18997.07,8378.46 18940,8378.46 ; v1(19001,7176.54) R10.2@19001,7224.7 ; v1(19124.24,7308.54) R9.2@19124.24,7358.74 ; U5.14@19496.28,7483.54 19557.28,7483.54 19574.28,7500.54 C19.2@19574.28,7550.54 v1(19522.28,7550.54) ; v1(19577.28,7410.54) U6.10@19635.28,7410.54 ; v1(19578.28,7110.54) U6.16@19635.28,7110.54 ; K1.1@20142,9343 20200.46,9284.54 D6.K@20326,9284.54 20400.54,9284.54 20426.6,9310.6 D7.A@20474.2,9310.6 ; K2.1@20142,9913.66 20200.46,9855.2 D8.K@20326,9855.2 20398.2,9855.2 20424.26,9881.26 D9.A@20472.97,9881.26 ; U7.14@20179,7760.54 C20.2@20263.28,7760.54 ; v1(20212,6897) R47.2@20257.17,6897.03 ; C20.2@20262.07,7760.1 20262.07,7719.93 v1(20290,7692) ; U17.1@20369,8749 20458.14,8749 20464,8754.86 20464,8788 ; U17.3@20369,8823.8 20458.14,8823.8 20464,8817.94 20464,8788 ; v1(20429,7682) D10.K@20529.8,7682 ; C44.2@20540.65,8730 v1(20540.65,8788) 20464,8788 ; 18940,8288.46 18940,8378.46
  Top Layer w30: U10.5@20079,10544.13 20079,10618.43 20096.57,10636 20155,10636 20210.13,10580.87 v2(20254,10580.94) ; C28.2@20254,10386.65 v2(20254,10580.94) ; v2@20254,10581 v2(20254,10580.94) v2(20254,10580.94) ; D5.A@20375.8,10580.87 v2(20254,10580.94)
12V/24V: C26.2 U8.2 U9.1 | length 549.4
  Top Layer w30: U8.2@18974,10122.28 19094.28,10122.28 19122.97,10150.97 C26.2@19122.97,10203.07 19320.93,10203.07 19334,10190 U9.1@19454,10190
BOOT0: BOOT.3 R45.1 | length 1864
  Top Layer w10: R45.1@19485,8591.97 v1@19550,8591.97 ; v1(20515,9382) 20552,9345 20695,9345 BOOT.3@20750,9400
  Bottom Layer w10: v1(19550,8591) 19580,8621 20131,8621 20240,8730 20240,8825 20530,9115 20530,9330 20515,9345 v1(20515,9382)
BOOT1: BOOT.4 R46.2 | length 1897.6
  Top Layer w10: R46.2@19396.03,8592.93 v1(19396.03,8646) ; v1(20465,9410) 20545,9410 20555,9400 BOOT.4@20650,9400
  Bottom Layer w10: v1(19396.03,8646) 19398.03,8648 20103,8648 20193,8738 20193,8833 20508,9148 20508,9323.72 20465,9366.72 v1(20465,9410)